# Altium PCB STB_LightBoard.PcbDoc (part 25 of 31) (continued)
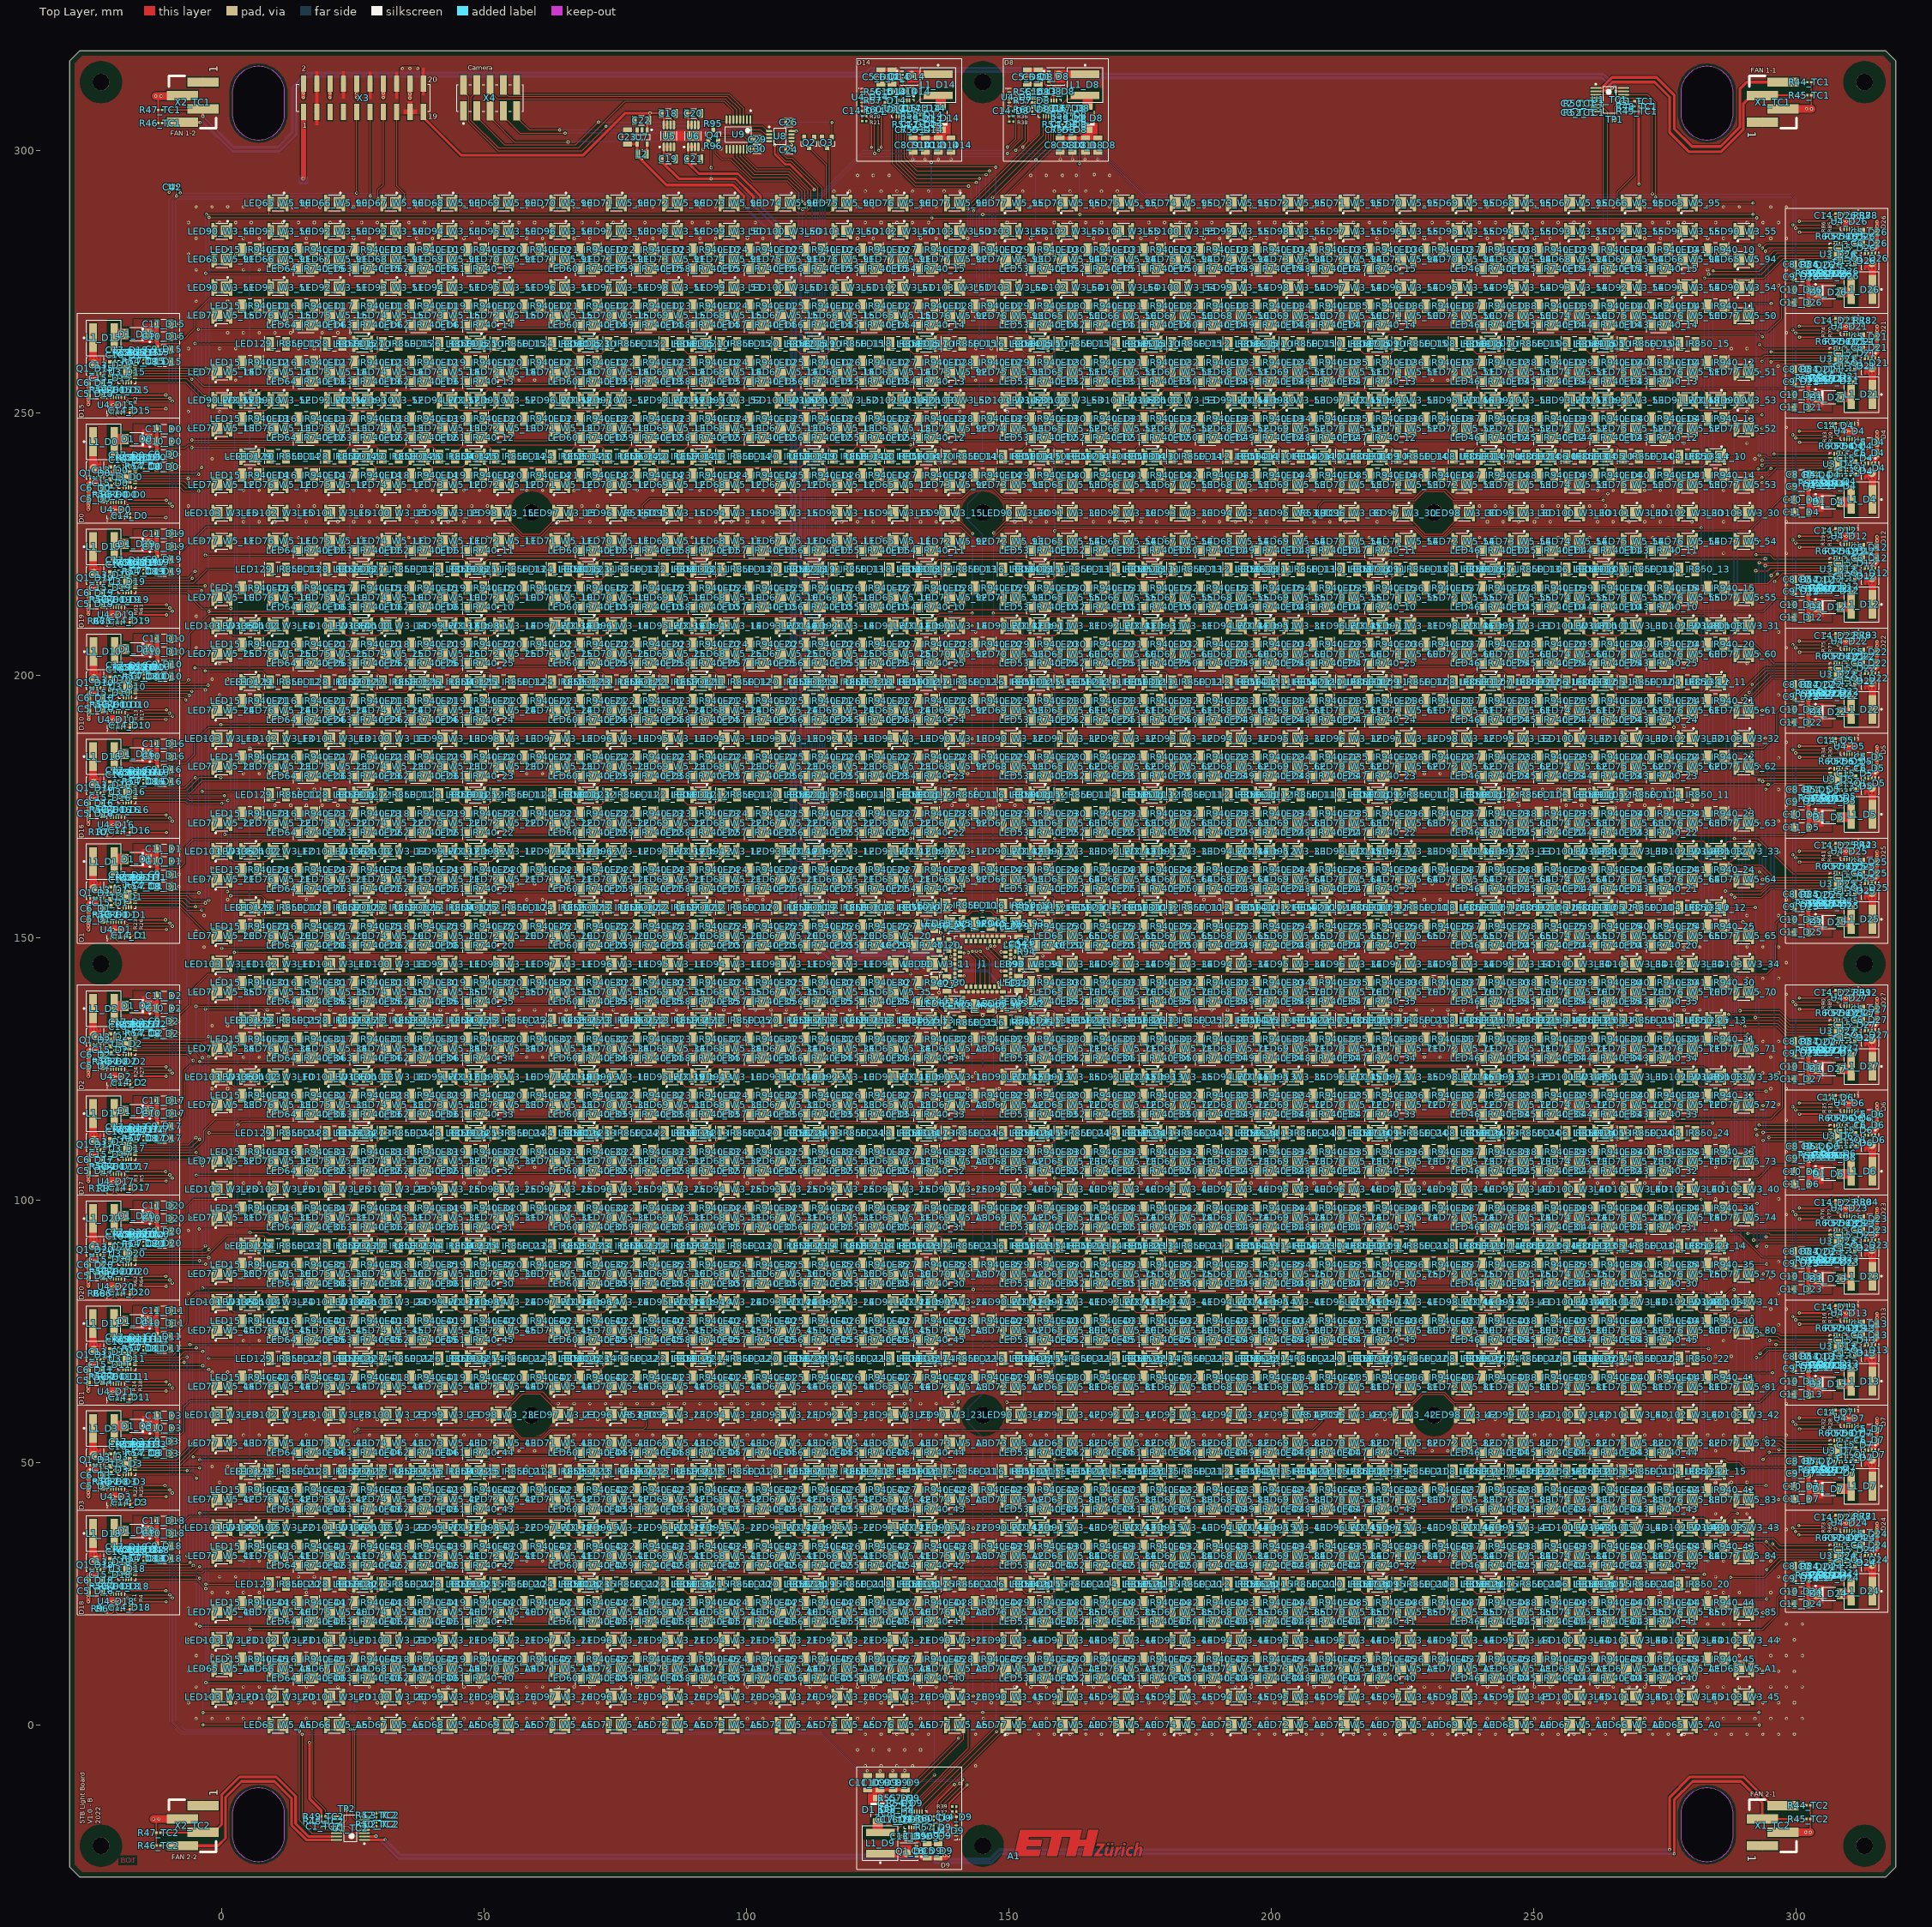
[diagram p0: Top Layer view]
## Nets (pads, with @x,y where several pads share a name; then routed paths per layer and width w, separated by ;. In a path a pad name is that pad's centre, name@x,y a point inside that pad or via, vN(x,y) a via of type N, cw(c..) or ccw(c..) an arc to the next point about the centre after c; other vN are vias at no path point) (continued)
NetLED77_W5_74_1: LED77_W5_74.1 U3_D6.14 | length 31.2
  Top Layer w0.2: LED77_W5_74.1@290.642,96.66 LED77_W5_74.1@291.707,96.66 291.767,96.6 v1(294.804,96.6) ; v1(294.804,111.9) 294.854,111.95 U3_D6.14@306.5,111.95
  Bottom Layer w0.2: v1(294.804,96.6) 294.8,96.604 294.8,111.896 v1(294.804,111.9)
NetLED77_W5_75_1: LED77_W5_75.1 U3_D6.15 | length 41.4
  Top Layer w0.2: LED77_W5_75.1@290.642,85.92 LED77_W5_75.1@291.707,85.92 v1(293.72,85.92) ; v1(293.696,111.4) 293.75,111.346 299.07,111.346 299.174,111.45 U3_D6.15@306.5,111.45
  Bottom Layer w0.2: v1(293.72,85.92) 293.72,92.751 293.696,92.775 293.696,97.473 293.72,97.497 v1@293.72,111.346
NetLED77_W5_80_1: LED77_W5_80.1 U3_D7.10 | length 37.4
  Top Layer w0.2: LED77_W5_80.1@290.642,75.18 LED77_W5_80.1@291.707,75.18 291.794,75.267 v1(294.373,75.267) ; v1(294.4,54.754) 294.454,54.7 297.4,54.7 297.9,54.2 U3_D7.10@307.25,54.2
  Bottom Layer w0.2: v1(294.373,75.267) 294.373,66.947 294.386,66.935 294.386,58.871 294.4,58.857 v1(294.4,54.754)
NetLED77_W5_81_1: LED77_W5_81.1 U3_D7.11 | length 29.5
  Top Layer w0.2: LED77_W5_81.1@290.642,64.44 LED77_W5_81.1@290.692,64.49 ; v1(293.79,54.254) 293.843,54.2 297.046,54.2 297.797,53.45 U3_D7.11@306.5,53.45 ; LED77_W5_81.1@290.692,64.49 v1(293.79,64.49) LED77_W5_81.1@290.692,64.49
  Bottom Layer w0.2: v1(293.79,54.254) v1(293.79,64.49)
NetLED77_W5_82_1: LED77_W5_82.1 U3_D7.12 | length 16.9
  Top Layer w0.2: LED77_W5_82.1@290.642,53.7 LED77_W5_82.1@291.242,53.1 ; LED77_W5_82.1@291.707,53.7 296.7,53.7 297.45,52.95 U3_D7.12@306.5,52.95 ; LED77_W5_82.1@291.242,53.1 291.707,53.1 LED77_W5_82.1@291.242,53.1
NetLED77_W5_83_1: LED77_W5_83.1 U3_D7.13 | length 35
  Top Layer w0.2: LED77_W5_83.1@290.642,42.96 LED77_W5_83.1@291.707,42.96 v1(296.66,42.96) ; v1@296.604,52.504 v1(296.7,52.504) 296.754,52.45 U3_D7.13@306.5,52.45
  Bottom Layer w0.2: v1(296.66,42.96) 296.66,52.504 v1(296.66,42.96)
NetLED77_W5_84_1: LED77_W5_84.1 U3_D7.14 | length 39.8
  Top Layer w0.2: LED77_W5_84.1@290.642,32.22 LED77_W5_84.1@290.722,32.3 ; v1(294.85,51.986) 294.886,51.95 U3_D7.14@306.5,51.95 ; LED77_W5_84.1@290.722,32.3 v1(294.9,32.3) LED77_W5_84.1@290.722,32.3
  Bottom Layer w0.2: v1(294.85,51.986) 294.9,51.936 v1(294.9,32.3)
NetLED77_W5_85_1: LED77_W5_85.1 U3_D7.15 | length 45.4
  Top Layer w0.2: LED77_W5_85.1@290.642,21.48 LED77_W5_85.1@291.707,21.48 291.787,21.4 v1(293.7,21.4) ; v1(293.7,50.6) 294.532,51.432 300.359,51.432 300.377,51.45 U3_D7.15@306.5,51.45
  Bottom Layer w0.2: v1(293.7,21.4) v1(293.7,50.6)
NetLED77_W5_90_1: LED77_W5_90.1 U3_D8.10 | length 25.2
  Top Layer w0.2: LED77_W5_90.1@140.268,289.98 LED77_W5_90.1@141.333,289.98 141.334,289.981 142.77,289.981 155.8,303.011 U3_D8.10@155.8,307.25
NetLED77_W5_91_1: LED77_W5_91.1 U3_D8.11 | length 41.2
  Top Layer w0.2: LED77_W5_91.1@130.592,279.24 v1(131.26,279.24) ; v1(142.162,288.873) 142.21,288.921 142.565,288.921 156.55,302.906 U3_D8.11@156.55,306.5
  Bottom Layer w0.2: v1(131.26,279.24) 135.74,279.24 142.162,285.662 v1(142.162,288.873)
NetLED77_W5_92_1: LED77_W5_92.1 U3_D8.12 | length 34.2
  Top Layer w0.2: LED77_W5_92.1@141.333,279.24 v1(142.019,279.24) ; v1(143.238,288.483) 143.315,288.483 157.05,302.218 U3_D8.12@157.05,306.5
  Bottom Layer w0.2: v1(142.019,279.24) 143.177,280.398 143.177,288.422 v1(143.238,288.483)
NetLED77_W5_93_1: LED77_W5_93.1 U3_D8.13 | length 34.6
  Top Layer w0.2: v1(146.869,291.053) 146.894,291.053 157.55,301.709 U3_D8.13@157.55,306.5 ; v1(147.94,279.24) LED77_W5_93.1@148.674,279.24 ; LED77_W5_93.1@149.264,279.24 LED77_W5_93.1@148.674,279.24 ; LED77_W5_93.1@149.739,279.24 LED77_W5_93.1@148.674,279.24
  Bottom Layer w0.2: v1@146.9,291.083 v1(146.869,291.053) 146.869,280.31 v1(147.94,279.24)
NetLED77_W5_94_1: LED77_W5_94.1 U3_D8.14 | length 30.6
  Top Layer w0.2: v1(155.13,298.2) 155.13,298.266 158.05,301.185 U3_D8.14@158.05,306.5 ; v1(158.732,279.24) LED77_W5_94.1@159.415,279.24
  Bottom Layer w0.2: v1(155.13,298.2) 155.13,282.842 v1(158.732,279.24)
NetLED77_W5_95_1: LED77_W5_95.1 U3_D8.15 | length 23.3
  Top Layer w0.2: LED77_W5_95.1@148.994,289.85 LED77_W5_95.1@149.124,289.98 ; LED77_W5_95.1@149.714,289.98 LED77_W5_95.1@149.124,289.98 ; U3_D8.15@158.55,306.5 158.55,300.665 149.34,291.455 148.874,291.455 148.674,291.255 LED77_W5_95.1@148.674,289.98 LED77_W5_95.1@149.739,289.98 LED77_W5_95.1@149.124,289.98
NetLED77_W5_A0_1: LED77_W5_A0.1 U3_D9.10 | length 24
  Top Layer w0.2: U3_D9.10@134.2,-17.25 134.2,-15.749 148.674,-1.275 LED77_W5_A0.1@148.674,0 ; LED77_W5_A0.1@148.994,-0.13 149.124,0 LED77_W5_A0.1@149.714,0
NetLED77_W5_A1_1: LED77_W5_A1.1 U3_D9.11 | length 41.1
  Top Layer w0.2: U3_D9.11@133.45,-16.5 133.45,-15.439 147.632,-1.257 v1(147.642,-1.257) ; v1(158.7,10.7) 160.44,10.7 v1(158.7,10.7)
  Bottom Layer w0.2: v1(147.642,-1.257) 158.7,9.801 v1(158.7,10.7)
NetLED77_W5_A2_1: LED77_W5_A2.1 U3_D9.12 | length 34.7
  Top Layer w0.2: U3_D9.12@132.95,-16.5 132.95,-14.95 v1(147.6,-0.3) ; v1(148.06,10.74) LED77_W5_A2.1@148.674,10.74 LED77_W5_A2.1@149.264,10.74
  Bottom Layer w0.2: v1(147.6,-0.3) 147.6,10.28 v1(148.06,10.74)
NetLED77_W5_A3_1: LED77_W5_A3.1 U3_D9.13 | length 38.5
  Top Layer w0.2: U3_D9.13@132.45,-16.5 132.45,-14.25 142.3,-4.4 ; LED77_W5_A3.1@140.268,10.74 LED77_W5_A3.1@141.333,10.74 141.393,10.8 v1(142.2,10.8) ; 142.3,-4.4 142.3,0.681 142.3,-4.4
  Bottom Layer w0.2: v1(142.2,10.8) 142.241,10.76 142.241,0.721 v1(142.281,0.681)
NetLED77_W5_A4_1: LED77_W5_A4.1 U3_D9.14 | length 31.4
  Top Layer w0.2: LED77_W5_A4.1@130.592,10.74 v1(131.26,10.74) ; U3_D9.14@131.95,-16.5 131.95,-13.342 v1(135.788,-9.504)
  Bottom Layer w0.2: v1(131.26,10.74) 135.788,6.212 v1(135.788,-9.504)
NetLED77_W5_A5_1: LED77_W5_A5.1 U3_D9.15 | length 21.7
  Top Layer w0.2: U3_D9.15@131.45,-16.5 131.45,-13.681 131.449,-13.68 131.449,-12.551 141.333,-2.667 LED77_W5_A5.1@141.333,0 LED77_W5_A5.1@140.268,0
NetLED78_g_10_1: LED78_g_10.1 LED79_g_10.2 | length 21.1
  Top Layer w0.2: LED78_g_10.1@28.552,263.13 28.552,264.405 29.147,265 46.039,265 46.434,264.605 46.634,264.405 LED79_g_10.2@46.634,263.13
NetLED78_g_11_1: LED78_g_11.1 LED79_g_11.2 | length 21.2
  Top Layer w0.2: LED78_g_11.1@28.552,220.17 28.552,221.445 29.217,222.11 45.992,222.11 46.434,221.668 46.434,220.37 LED79_g_11.2@46.634,220.17
NetLED78_g_12_1: LED78_g_12.1 LED79_g_12.2 | length 21.2
  Top Layer w0.2: LED78_g_12.1@28.552,177.21 28.552,178.485 29.213,179.146 45.973,179.146 46.634,178.485 LED79_g_12.2@46.634,177.21
NetLED78_g_13_1: LED78_g_13.1 LED79_g_13.2 | length 21.1
  Top Layer w0.2: LED78_g_13.1@28.552,112.756 28.552,114.031 29.147,114.626 46.039,114.626 46.434,114.231 46.634,114.031 LED79_g_13.2@46.634,112.756
NetLED78_g_14_1: LED78_g_14.1 LED79_g_14.2 | length 21.1
  Top Layer w0.2: LED78_g_14.1@28.552,69.792 28.552,71.067 29.147,71.662 46.039,71.662 46.434,71.267 46.634,71.067 LED79_g_14.2@46.634,69.792
NetLED78_g_15_1: LED78_g_15.1 LED79_g_15.2 | length 21.1
  Top Layer w0.2: LED78_g_15.1@28.552,26.828 28.552,28.103 29.147,28.698 46.039,28.698 46.434,28.303 46.634,28.103 LED79_g_15.2@46.634,26.828
NetLED79_g_10_1: LED79_g_10.1 LED80_g_10.2 | length 18.6
  Top Layer w0.2: LED79_g_10.1@50.034,264.405 50.629,265 67.521,265 67.916,264.605 LED80_g_10.2@68.116,264.405
NetLED79_g_11_1: LED79_g_11.1 LED80_g_11.2 | length 21.2
  Top Layer w0.2: LED79_g_11.1@50.034,220.17 50.034,221.445 50.699,222.11 67.474,222.11 67.916,221.668 67.916,220.37 LED80_g_11.2@68.116,220.17
NetLED79_g_12_1: LED79_g_12.1 LED80_g_12.2 | length 18.6
  Top Layer w0.2: LED79_g_12.1@50.034,178.485 50.695,179.146 67.455,179.146 LED80_g_12.2@68.116,178.485
NetLED79_g_13_1: LED79_g_13.1 LED80_g_13.2 | length 18.6
  Top Layer w0.2: LED79_g_13.1@50.034,114.031 50.629,114.626 67.521,114.626 67.916,114.231 LED80_g_13.2@68.116,114.031
NetLED79_g_14_1: LED79_g_14.1 LED80_g_14.2 | length 18.6
  Top Layer w0.2: LED79_g_14.1@50.034,71.067 50.629,71.662 67.521,71.662 67.916,71.267 LED80_g_14.2@68.116,71.067
NetLED79_g_15_1: LED79_g_15.1 LED80_g_15.2 | length 18.6
  Top Layer w0.2: LED79_g_15.1@50.034,28.103 50.629,28.698 67.521,28.698 67.916,28.303 LED80_g_15.2@68.116,28.103
NetLED80_g_10_1: LED80_g_10.1 LED81_g_10.2 | length 18.6
  Top Layer w0.2: LED80_g_10.1@71.516,264.405 72.111,265 89.003,265 89.398,264.605 LED81_g_10.2@89.598,264.405
NetLED80_g_11_1: LED80_g_11.1 LED81_g_11.2 | length 21.2
  Top Layer w0.2: LED80_g_11.1@71.516,220.17 71.516,221.445 72.181,222.11 88.956,222.11 89.398,221.668 89.398,220.37 LED81_g_11.2@89.598,220.17
NetLED80_g_12_1: LED80_g_12.1 LED81_g_12.2 | length 18.6
  Top Layer w0.2: LED80_g_12.1@71.516,178.485 72.177,179.146 88.937,179.146 LED81_g_12.2@89.598,178.485
NetLED80_g_13_1: LED80_g_13.1 LED81_g_13.2 | length 18.6
  Top Layer w0.2: LED80_g_13.1@71.516,114.031 72.111,114.626 89.003,114.626 89.398,114.231 LED81_g_13.2@89.598,114.031
NetLED80_g_14_1: LED80_g_14.1 LED81_g_14.2 | length 18.6
  Top Layer w0.2: LED80_g_14.1@71.516,71.067 72.111,71.662 89.003,71.662 89.398,71.267 LED81_g_14.2@89.598,71.067
NetLED80_g_15_1: LED80_g_15.1 LED81_g_15.2 | length 18.6
  Top Layer w0.2: LED80_g_15.1@71.516,28.103 72.111,28.698 89.003,28.698 89.398,28.303 LED81_g_15.2@89.598,28.103
NetLED81_g_10_1: LED81_g_10.1 LED82_g_10.2 | length 19.2
  Top Layer w0.2: LED81_g_10.1@92.998,264.405 93.593,265 110.485,265 LED82_g_10.2@111.08,264.405 ; LED82_g_10.2@111.08,263.13 LED82_g_10.2@111.67,263.13
NetLED81_g_11_1: LED81_g_11.1 LED82_g_11.2 | length 21.2
  Top Layer w0.2: LED81_g_11.1@92.998,220.17 92.998,221.445 93.663,222.11 110.438,222.11 110.88,221.668 110.88,220.37 LED82_g_11.2@111.08,220.17
NetLED81_g_12_1: LED81_g_12.1 LED82_g_12.2 | length 19.2
  Top Layer w0.2: LED81_g_12.1@92.998,178.485 93.659,179.146 110.419,179.146 LED82_g_12.2@111.08,178.485 ; LED82_g_12.2@111.08,177.21 LED82_g_12.2@111.67,177.21
NetLED81_g_13_1: LED81_g_13.1 LED82_g_13.2 | length 18.6
  Top Layer w0.2: LED81_g_13.1@92.998,114.031 93.593,114.626 110.485,114.626 110.88,114.231 LED82_g_13.2@111.08,114.031
NetLED81_g_14_1: LED81_g_14.1 LED82_g_14.2 | length 18.6
  Top Layer w0.2: LED81_g_14.1@92.998,71.067 93.593,71.662 110.485,71.662 110.88,71.267 LED82_g_14.2@111.08,71.067
NetLED81_g_15_1: LED81_g_15.1 LED82_g_15.2 | length 18.6
  Top Layer w0.2: LED81_g_15.1@92.998,28.103 93.593,28.698 110.485,28.698 110.88,28.303 LED82_g_15.2@111.08,28.103
NetLED82_g_10_1: LED82_g_10.1 LED83_g_10.2 | length 19.2
  Top Layer w0.2: LED82_g_10.1@114.48,264.405 115.075,265 131.967,265 LED83_g_10.2@132.562,264.405 ; LED83_g_10.2@132.562,263.13 LED83_g_10.2@133.152,263.13
NetLED82_g_11_1: LED82_g_11.1 LED83_g_11.2 | length 21.2
  Top Layer w0.2: LED82_g_11.1@114.48,220.17 114.48,221.445 115.145,222.11 131.92,222.11 132.362,221.668 132.362,220.37 LED83_g_11.2@132.562,220.17
NetLED82_g_12_1: LED82_g_12.1 LED83_g_12.2 | length 19.2
  Top Layer w0.2: LED82_g_12.1@114.48,178.485 115.141,179.146 131.901,179.146 LED83_g_12.2@132.562,178.485 ; LED83_g_12.2@132.562,177.21 LED83_g_12.2@133.152,177.21
NetLED82_g_13_1: LED82_g_13.1 LED83_g_13.2 | length 18.6
  Top Layer w0.2: LED82_g_13.1@114.48,114.031 115.075,114.626 131.967,114.626 132.362,114.231 LED83_g_13.2@132.562,114.031
NetLED82_g_14_1: LED82_g_14.1 LED83_g_14.2 | length 18.6
  Top Layer w0.2: LED82_g_14.1@114.48,71.067 115.075,71.662 131.967,71.662 132.362,71.267 LED83_g_14.2@132.562,71.067
NetLED82_g_15_1: LED82_g_15.1 LED83_g_15.2 | length 19.2
  Top Layer w0.2: LED82_g_15.1@114.48,28.103 115.075,28.698 131.967,28.698 132.362,28.303 LED83_g_15.2@132.562,28.103 ; LED83_g_15.2@132.562,26.85 LED83_g_15.2@133.152,26.85
NetLED83_g_10_1: LED83_g_10.1 LED84_g_10.2 | length 19.2
  Top Layer w0.2: LED83_g_10.1@135.962,264.405 136.557,265 153.449,265 LED84_g_10.2@154.044,264.405 ; LED84_g_10.2@154.044,263.13 LED84_g_10.2@154.634,263.13
NetLED83_g_11_1: LED83_g_11.1 LED84_g_11.2 | length 21.2
  Top Layer w0.2: LED83_g_11.1@135.962,220.17 135.962,221.445 136.627,222.11 153.402,222.11 153.844,221.668 153.844,220.37 LED84_g_11.2@154.044,220.17
NetLED83_g_12_1: LED83_g_12.1 LED84_g_12.2 | length 18.6
  Top Layer w0.2: LED83_g_12.1@135.962,178.485 136.623,179.146 153.383,179.146 LED84_g_12.2@154.044,178.485
NetLED83_g_13_1: LED83_g_13.1 LED84_g_13.2 | length 18.6
  Top Layer w0.2: LED83_g_13.1@135.962,114.031 136.557,114.626 153.449,114.626 153.844,114.231 LED84_g_13.2@154.044,114.031
NetLED83_g_14_1: LED83_g_14.1 LED84_g_14.2 | length 18.6
  Top Layer w0.2: LED83_g_14.1@135.962,71.067 136.557,71.662 153.449,71.662 153.844,71.267 LED84_g_14.2@154.044,71.067
NetLED83_g_15_1: LED83_g_15.1 LED84_g_15.2 | length 18.6
  Top Layer w0.2: LED83_g_15.1@135.962,28.103 136.557,28.698 153.449,28.698 153.844,28.303 LED84_g_15.2@154.044,28.103
NetLED84_g_10_1: LED84_g_10.1 LED85_g_10.2 | length 18.6
  Top Layer w0.2: LED84_g_10.1@157.444,264.405 158.039,265 174.931,265 175.326,264.605 LED85_g_10.2@175.526,264.405
NetLED84_g_11_1: LED84_g_11.1 LED85_g_11.2 | length 21.2
  Top Layer w0.2: LED84_g_11.1@157.444,220.17 157.444,221.445 158.109,222.11 174.884,222.11 175.326,221.668 175.326,220.37 LED85_g_11.2@175.526,220.17
NetLED84_g_12_1: LED84_g_12.1 LED85_g_12.2 | length 18.6
  Top Layer w0.2: LED84_g_12.1@157.444,178.485 158.105,179.146 174.865,179.146 LED85_g_12.2@175.526,178.485
NetLED84_g_13_1: LED84_g_13.1 LED85_g_13.2 | length 18.6
  Top Layer w0.2: LED84_g_13.1@157.444,114.031 158.039,114.626 174.931,114.626 175.326,114.231 LED85_g_13.2@175.526,114.031
NetLED84_g_14_1: LED84_g_14.1 LED85_g_14.2 | length 18.6
  Top Layer w0.2: LED84_g_14.1@157.444,71.067 158.039,71.662 174.931,71.662 175.326,71.267 LED85_g_14.2@175.526,71.067
NetLED84_g_15_1: LED84_g_15.1 LED85_g_15.2 | length 18.6
  Top Layer w0.2: LED84_g_15.1@157.444,28.103 158.039,28.698 174.931,28.698 175.326,28.303 LED85_g_15.2@175.526,28.103
NetLED85_g_10_1: LED85_g_10.1 LED86_g_10.2 | length 18.6
  Top Layer w0.2: LED85_g_10.1@178.926,264.405 179.521,265 196.413,265 196.808,264.605 LED86_g_10.2@197.008,264.405
NetLED85_g_11_1: LED85_g_11.1 LED86_g_11.2 | length 21.2
  Top Layer w0.2: LED85_g_11.1@178.926,220.17 178.926,221.445 179.591,222.11 196.366,222.11 196.808,221.668 196.808,220.37 LED86_g_11.2@197.008,220.17
NetLED85_g_12_1: LED85_g_12.1 LED86_g_12.2 | length 18.6
  Top Layer w0.2: LED85_g_12.1@178.926,178.485 179.587,179.146 196.347,179.146 LED86_g_12.2@197.008,178.485
NetLED85_g_13_1: LED85_g_13.1 LED86_g_13.2 | length 18.6
  Top Layer w0.2: LED85_g_13.1@178.926,114.031 179.521,114.626 196.413,114.626 196.808,114.231 LED86_g_13.2@197.008,114.031
NetLED85_g_14_1: LED85_g_14.1 LED86_g_14.2 | length 18.6
  Top Layer w0.2: LED85_g_14.1@178.926,71.067 179.521,71.662 196.413,71.662 196.808,71.267 LED86_g_14.2@197.008,71.067
NetLED85_g_15_1: LED85_g_15.1 LED86_g_15.2 | length 18.6
  Top Layer w0.2: LED85_g_15.1@178.926,28.103 179.521,28.698 196.413,28.698 196.808,28.303 LED86_g_15.2@197.008,28.103
NetLED86_g_10_1: LED86_g_10.1 LED87_g_10.2 | length 18.6
  Top Layer w0.2: LED86_g_10.1@200.408,264.405 201.003,265 217.895,265 218.29,264.605 LED87_g_10.2@218.49,264.405
NetLED86_g_11_1: LED86_g_11.1 LED87_g_11.2 | length 21.2
  Top Layer w0.2: LED86_g_11.1@200.408,220.17 200.408,221.445 201.073,222.11 217.848,222.11 218.29,221.668 218.29,220.37 LED87_g_11.2@218.49,220.17
NetLED86_g_12_1: LED86_g_12.1 LED87_g_12.2 | length 18.6
  Top Layer w0.2: LED86_g_12.1@200.408,178.485 201.069,179.146 217.829,179.146 LED87_g_12.2@218.49,178.485
NetLED86_g_13_1: LED86_g_13.1 LED87_g_13.2 | length 18.6
  Top Layer w0.2: LED86_g_13.1@200.408,114.031 201.003,114.626 217.895,114.626 218.29,114.231 LED87_g_13.2@218.49,114.031
NetLED86_g_14_1: LED86_g_14.1 LED87_g_14.2 | length 18.6
  Top Layer w0.2: LED86_g_14.1@200.408,71.067 201.003,71.662 217.895,71.662 218.29,71.267 LED87_g_14.2@218.49,71.067
NetLED86_g_15_1: LED86_g_15.1 LED87_g_15.2 | length 18.6
  Top Layer w0.2: LED86_g_15.1@200.408,28.103 201.003,28.698 217.895,28.698 218.29,28.303 LED87_g_15.2@218.49,28.103
NetLED87_g_10_1: LED87_g_10.1 LED88_g_10.2 | length 18.6
  Top Layer w0.2: LED87_g_10.1@221.89,264.405 222.485,265 239.377,265 239.772,264.605 LED88_g_10.2@239.972,264.405
NetLED87_g_11_1: LED87_g_11.1 LED88_g_11.2 | length 21.2
  Top Layer w0.2: LED87_g_11.1@221.89,220.17 221.89,221.445 222.555,222.11 239.33,222.11 239.772,221.668 239.772,220.37 LED88_g_11.2@239.972,220.17
NetLED87_g_12_1: LED87_g_12.1 LED88_g_12.2 | length 18.6
  Top Layer w0.2: LED87_g_12.1@221.89,178.485 222.551,179.146 239.311,179.146 LED88_g_12.2@239.972,178.485
NetLED87_g_13_1: LED87_g_13.1 LED88_g_13.2 | length 19.2
  Top Layer w0.2: LED87_g_13.1@221.89,114.031 222.485,114.626 239.377,114.626 239.772,114.231 LED88_g_13.2@239.972,114.031 ; LED88_g_13.2@239.972,112.77 LED88_g_13.2@240.562,112.77
NetLED87_g_14_1: LED87_g_14.1 LED88_g_14.2 | length 18.6
  Top Layer w0.2: LED87_g_14.1@221.89,71.067 222.485,71.662 239.377,71.662 239.772,71.267 LED88_g_14.2@239.972,71.067
NetLED87_g_15_1: LED87_g_15.1 LED88_g_15.2 | length 18.6
  Top Layer w0.2: LED87_g_15.1@221.89,28.103 222.485,28.698 239.377,28.698 239.772,28.303 LED88_g_15.2@239.972,28.103
NetLED88_g_10_1: LED88_g_10.1 LED89_g_10.2 | length 19.2
  Top Layer w0.2: LED88_g_10.1@243.372,264.405 243.967,265 260.859,265 261.254,264.605 LED89_g_10.2@261.454,264.405 ; LED89_g_10.2@261.454,263.13 LED89_g_10.2@262.044,263.13
NetLED88_g_11_1: LED88_g_11.1 LED89_g_11.2 | length 21.2
  Top Layer w0.2: LED88_g_11.1@243.372,220.17 243.372,221.445 244.037,222.11 260.812,222.11 261.254,221.668 261.254,220.37 LED89_g_11.2@261.454,220.17
NetLED88_g_12_1: LED88_g_12.1 LED89_g_12.2 | length 18.6
  Top Layer w0.2: LED88_g_12.1@243.372,178.485 244.033,179.146 260.793,179.146 LED89_g_12.2@261.454,178.485
NetLED88_g_13_1: LED88_g_13.1 LED89_g_13.2 | length 20.2
  Top Layer w0.2: LED88_g_13.1@242.307,112.77 LED88_g_13.1@243.372,112.77 ; LED88_g_13.1@243.372,114.031 243.967,114.626 260.859,114.626 261.254,114.231 LED89_g_13.2@261.454,114.031 ; LED89_g_13.2@261.454,112.77 LED89_g_13.2@262.044,112.77
NetLED88_g_14_1: LED88_g_14.1 LED89_g_14.2 | length 18.6
  Top Layer w0.2: LED88_g_14.1@243.372,71.067 243.967,71.662 260.859,71.662 261.254,71.267 LED89_g_14.2@261.454,71.067
NetLED88_g_15_1: LED88_g_15.1 LED89_g_15.2 | length 18.6
  Top Layer w0.2: LED88_g_15.1@243.372,28.103 243.967,28.698 260.859,28.698 261.254,28.303 LED89_g_15.2@261.454,28.103
NetLED89_g_10_1: LED89_g_10.1 U3_D26.10 | length 62.6
  Top Layer w0.2: LED89_g_10.1@263.789,263.13 LED89_g_10.1@264.854,263.13 264.854,264.405 265.52,265.071 292.914,265.071 293.508,264.478 v1(293.543,264.478) ; v1(293.543,281.4) 293.543,281.443 294.3,282.2 U3_D26.10@307.25,282.2
  Bottom Layer w0.2: v1(293.543,264.478) 293.52,264.5 293.52,281.377 v1(293.543,281.4)
NetLED89_g_11_1: LED89_g_11.1 U3_D26.11 | length 102.1
  Top Layer w0.2: LED89_g_11.1@264.854,220.17 264.854,221.445 265.609,222.2 v1(294.08,222.2) ; v1(294.135,280.775) 294.135,280.835 294.75,281.45 U3_D26.11@306.5,281.45
  Bottom Layer w0.2: v1(294.08,222.2) 294.1,222.22 294.1,280.74 v1(294.135,280.775)
NetLED89_g_12_1: LED89_g_12.1 U3_D26.12 | length 145.4
  Top Layer w0.2: LED89_g_12.1@263.789,177.21 LED89_g_12.1@264.854,177.21 264.854,178.485 265.515,179.146 294.637,179.146 v1(294.677,179.186) ; v1(294.719,279.811) 295.858,280.95 U3_D26.12@306.5,280.95
  Bottom Layer w0.2: v1(294.677,179.186) 294.634,179.229 294.634,269.534 294.676,269.575 294.676,279.768 v1(294.719,279.811)
NetLED89_g_13_1: LED89_g_13.1 U3_D26.13 | length 209.1
  Top Layer w0.2: v1(284.097,114.693) 284.093,114.697 265.52,114.697 265.444,114.621 265.43,114.621 264.854,114.045 LED89_g_13.1@264.854,112.77 LED89_g_13.1@264.84,112.756 ; v1(284.167,277.064) 284.213,277.018 292.967,277.018 296.399,280.45 U3_D26.13@306.5,280.45 ; LED89_g_13.1@264.84,112.756 263.789,112.756 LED89_g_13.1@264.84,112.756
  Bottom Layer w0.2: v1(284.097,114.693) 284.132,114.728 284.132,277.029 v1(284.167,277.064)
NetLED89_g_14_1: LED89_g_14.1 U3_D26.14 | length 271.6
  Top Layer w0.2: LED89_g_14.1@264.854,69.81 264.854,71.085 265.505,71.736 ; 265.523,71.736 264.854,71.067 LED89_g_14.1@264.854,69.792 ; v1(283.314,276.44) 283.363,276.391 293.391,276.391 296.95,279.95 U3_D26.14@306.5,279.95 ; LED89_g_14.1@264.854,69.792 263.789,69.792 LED89_g_14.1@264.854,69.792 ; 265.505,71.736 283.314,71.736 265.505,71.736
  Bottom Layer w0.2: v1(283.3,71.7) 283.314,71.714 v1(283.314,276.44)
NetLED89_g_15_1: LED89_g_15.1 U3_D26.15 | length 292.5
  Top Layer w0.2: LED89_g_15.1@263.789,26.85 LED89_g_15.1@264.854,26.85 264.854,28.125 265.054,28.325 265.148,28.325 265.523,28.7 v1(282.5,28.7) ; v1(282.508,275.65) 282.555,275.697 293.797,275.697 297.55,279.45 U3_D26.15@306.5,279.45
  Bottom Layer w0.2: v1@282.508,28.908 v1(282.508,275.65)
NetLED90_W3_10_1: LED90_W3_10.1 LED91_W3_10.2 | length 9.1
  Top Layer w0.2: LED91_W3_10.2@130.592,122.235 131.187,121.64 137.338,121.64 137.733,122.035 137.933,122.235 LED90_W3_10.1@137.933,123.51
NetLED90_W3_11_1: LED90_W3_11.1 LED91_W3_11.2 | length 5.7
  Top Layer w0.2: LED91_W3_11.2@130.002,144.99 LED91_W3_11.2@130.592,144.99 LED90_W3_11.1@134.633,144.99 LED90_W3_11.1@135.698,144.99
NetLED90_W3_12_1: LED90_W3_12.1 LED91_W3_12.2 | length 9.1
  Top Layer w0.2: LED91_W3_12.2@130.592,165.195 131.187,164.6 137.338,164.6 137.733,164.995 137.933,165.195 LED90_W3_12.1@137.933,166.47
NetLED90_W3_13_1: LED90_W3_13.1 LED91_W3_13.2 | length 9
  Top Layer w0.2: LED91_W3_13.2@130.002,187.95 LED91_W3_13.2@130.592,187.95 LED90_W3_13.1@137.933,187.95 LED90_W3_13.1@138.998,187.95
NetLED90_W3_14_1: LED90_W3_14.1 LED91_W3_14.2 | length 12
  Top Layer w0.2: LED91_W3_14.2@130.002,209.43 LED91_W3_14.2@130.592,209.43 130.592,208.155 131.147,207.6 137.378,207.6 137.933,208.155 LED90_W3_14.1@137.933,209.43 LED90_W3_14.1@138.998,209.43
NetLED90_W3_15_1: LED90_W3_15.1 LED91_W3_15.2 | length 15.6
  Top Layer w0.2: LED90_W3_15.1@137.933,230.9 130.219,230.9 130.809,230.9 LED90_W3_15.1@138.15,230.9
NetLED90_W3_20_1: LED90_W3_20.1 LED91_W3_20.2 | length 9
  Top Layer w0.2: LED91_W3_20.2@130.002,5.37 LED91_W3_20.2@130.592,5.37 LED90_W3_20.1@137.933,5.37 LED90_W3_20.1@138.998,5.37
NetLED90_W3_21_1: LED90_W3_21.1 LED91_W3_21.2 | length 9
  Top Layer w0.2: LED91_W3_21.2@130.002,16.11 LED91_W3_21.2@130.592,16.11 LED90_W3_21.1@137.933,16.11 LED90_W3_21.1@138.998,16.11
NetLED90_W3_22_1: LED90_W3_22.1 LED91_W3_22.2 | length 9.1
  Top Layer w0.2: LED91_W3_22.2@130.592,36.315 131.187,35.72 137.338,35.72 137.733,36.115 137.933,36.315 LED90_W3_22.1@137.933,37.59
NetLED90_W3_23_1: LED90_W3_23.1 LED91_W3_23.2 | length 16.5
  Top Layer w0.2: LED90_W3_23.1@137.933,59.07 LED90_W3_23.1@138.523,59.07 ; LED91_W3_23.2@130.219,59.08 130.809,59.08 138.15,59.08 LED91_W3_23.2@130.219,59.08
NetLED90_W3_24_1: LED90_W3_24.1 LED91_W3_24.2 | length 9.1
  Top Layer w0.2: LED91_W3_24.2@130.592,79.275 131.187,78.68 137.338,78.68 137.733,79.075 137.933,79.275 LED90_W3_24.1@137.933,80.55
NetLED90_W3_25_1: LED90_W3_25.1 LED91_W3_25.2 | length 9
  Top Layer w0.2: LED91_W3_25.2@130.002,102.03 LED91_W3_25.2@130.592,102.03 LED90_W3_25.1@137.933,102.03 LED90_W3_25.1@138.998,102.03
NetLED90_W3_30_1: LED90_W3_30.1 LED91_W3_30.2 | length 25.2
  Top Layer w0.2: LED90_W3_30.1@151.391,230.9 158.732,230.9 ; LED90_W3_30.1@151.624,230.91 158.965,230.91 ; LED91_W3_30.2@159.797,230.9 158.732,230.9 ; LED90_W3_30.1@152.291,230.9 151.701,230.9 152.074,230.9 LED90_W3_30.1@152.291,230.9 ; LED90_W3_30.1@152.291,230.9 159.632,230.9 159.415,230.9 158.732,230.9
NetLED90_W3_31_1: LED90_W3_31.1 LED91_W3_31.2 | length 7.8
  Top Layer w0.2: LED90_W3_31.1@152.074,208.155 152.629,207.6 158.86,207.6 LED91_W3_31.2@159.415,208.155
NetLED90_W3_32_1: LED90_W3_32.1 LED91_W3_32.2 | length 9
  Top Layer w0.2: LED90_W3_32.1@151.009,187.95 LED90_W3_32.1@152.074,187.95 LED91_W3_32.2@159.415,187.95 LED91_W3_32.2@160.005,187.95
NetLED90_W3_33_1: LED90_W3_33.1 LED91_W3_33.2 | length 10.2
  Top Layer w0.2: LED90_W3_33.1@151.009,166.47 LED90_W3_33.1@152.074,166.47 ; LED90_W3_33.1@152.074,165.195 152.669,164.6 158.82,164.6 159.215,164.995 159.415,165.195 LED91_W3_33.2@159.415,166.47
NetLED90_W3_34_1: LED90_W3_34.1 LED91_W3_34.2 | length 5.6
  Top Layer w0.2: LED90_W3_34.1@154.571,144.99 154.874,144.99 LED91_W3_34.2@159.415,144.99 LED91_W3_34.2@160.005,144.99 LED91_W3_34.2@160.17,144.99
NetLED90_W3_35_1: LED90_W3_35.1 LED91_W3_35.2 | length 8.9
  Top Layer w0.2: LED90_W3_35.1@151.009,123.51 LED90_W3_35.1@152.074,123.51 ; LED90_W3_35.1@152.074,122.235 152.669,121.64 158.82,121.64 159.215,122.035 LED91_W3_35.2@159.415,122.235
NetLED90_W3_40_1: LED90_W3_40.1 LED91_W3_40.2 | length 8.4
  Top Layer w0.2: LED90_W3_40.1@150.964,102.03 158.305,102.03 LED91_W3_40.2@159.37,102.03
NetLED90_W3_41_1: LED90_W3_41.1 LED91_W3_41.2 | length 10.5
  Top Layer w0.2: LED90_W3_41.1@152.074,80.55 152.074,79.275 152.749,78.6 158.7,78.6 158.8,78.7 158.84,78.7 159.415,79.275 LED91_W3_41.2@159.415,80.55
NetLED90_W3_42_1: LED90_W3_42.1 LED91_W3_42.2 | length 15.9
  Top Layer w0.2: LED90_W3_42.1@151.857,59.08 159.198,59.08 159.788,59.08 LED90_W3_42.1@151.857,59.08
NetLED90_W3_43_1: LED90_W3_43.1 LED91_W3_43.2 | length 9.1
  Top Layer w0.2: LED90_W3_43.1@152.074,36.315 152.669,35.72 158.82,35.72 159.215,36.115 159.415,36.315 LED91_W3_43.2@159.415,37.59
NetLED90_W3_44_1: LED90_W3_44.1 LED91_W3_44.2 | length 18.5
  Top Layer w0.2: LED90_W3_44.1@152.074,16.11 LED90_W3_44.1@151.009,16.11 ; LED91_W3_44.2@159.415,16.11 LED90_W3_44.1@151.009,16.11 ; LED91_W3_44.2@160.005,16.11 LED90_W3_44.1@151.009,16.11
NetLED90_W3_45_1: LED90_W3_45.1 LED91_W3_45.2 | length 18.5
  Top Layer w0.2: LED90_W3_45.1@152.074,5.37 LED90_W3_45.1@151.009,5.37 ; LED91_W3_45.2@159.415,5.37 LED90_W3_45.1@151.009,5.37 ; LED91_W3_45.2@160.005,5.37 LED90_W3_45.1@151.009,5.37
NetLED90_W3_50_1: LED90_W3_50.1 LED91_W3_50.2 | length 25.2
  Top Layer w0.2: LED90_W3_50.1@0.635,284.61 LED90_W3_50.1@1.7,284.61 LED91_W3_50.2@9.041,284.61 ; LED90_W3_50.1@1.467,284.6 8.808,284.6 9.873,284.6 LED90_W3_50.1@1.467,284.6
NetLED90_W3_51_1: LED90_W3_51.1 LED91_W3_51.2 | length 25.8
  Top Layer w0.2: LED90_W3_51.1@0.635,273.87 LED90_W3_51.1@1.7,273.87 LED91_W3_51.2@9.041,273.87 LED91_W3_51.2@9.631,273.87 ; LED90_W3_51.1@0.767,273.89 8.108,273.89 9.173,273.89 9.041,273.89 LED90_W3_51.1@0.767,273.89
NetLED90_W3_52_1: LED90_W3_52.1 LED91_W3_52.2 | length 7.9
  Top Layer w0.2: LED90_W3_52.1@1.7,251.115 2.315,250.5 8.426,250.5 LED91_W3_52.2@9.041,251.115
NetLED90_W3_53_1: LED90_W3_53.1 LED91_W3_53.2 | length 14
  Top Layer w0.2: LED90_W3_53.1@288.359,252.368 288.382,252.39 LED90_W3_53.1@289.372,252.39 ; LED91_W3_53.2@280.965,251.115 280.965,252.39 LED91_W3_53.2@280.965,251.115 ; LED91_W3_53.2@280.965,251.115 281.58,250.5 287.691,250.5 LED90_W3_53.1@288.306,251.115 ; LED90_W3_53.1@288.306,251.115 LED90_W3_53.1@288.307,252.39 LED90_W3_53.1@288.306,251.115
NetLED90_W3_54_1: LED90_W3_54.1 LED91_W3_54.2 | length 18
  Top Layer w0.2: LED91_W3_54.2@280.593,273.86 281.183,273.86 288.524,273.86 289.589,273.86 288.307,273.86 LED91_W3_54.2@280.593,273.86
NetLED90_W3_55_1: LED90_W3_55.1 LED91_W3_55.2 | length 17.4
  Top Layer w0.2: LED91_W3_55.2@280.351,284.61 281.416,284.61 LED90_W3_55.1@288.757,284.61 ; LED91_W3_55.2@280.376,284.61 LED91_W3_55.2@280.966,284.61 LED90_W3_55.1@288.307,284.61 LED90_W3_55.1@289.372,284.61
NetLED91_W3_10_1: LED91_W3_10.1 LED92_W3_10.2 | length 9
  Top Layer w0.2: LED92_W3_10.2@119.261,123.51 LED92_W3_10.2@119.851,123.51 LED91_W3_10.1@127.192,123.51 LED91_W3_10.1@128.257,123.51
NetLED91_W3_11_1: LED91_W3_11.1 LED92_W3_11.2 | length 9
  Top Layer w0.2: LED92_W3_11.2@119.261,144.99 LED92_W3_11.2@119.851,144.99 LED91_W3_11.1@127.192,144.99 LED91_W3_11.1@128.257,144.99
NetLED91_W3_12_1: LED91_W3_12.1 LED92_W3_12.2 | length 9
  Top Layer w0.2: LED92_W3_12.2@119.261,166.47 LED92_W3_12.2@119.851,166.47 LED91_W3_12.1@127.192,166.47 LED91_W3_12.1@128.257,166.47
NetLED91_W3_13_1: LED91_W3_13.1 LED92_W3_13.2 | length 9
  Top Layer w0.2: LED92_W3_13.2@119.261,187.95 LED92_W3_13.2@119.851,187.95 LED91_W3_13.1@127.192,187.95 LED91_W3_13.1@128.257,187.95
NetLED91_W3_14_1: LED91_W3_14.1 LED92_W3_14.2 | length 9
  Top Layer w0.2: LED92_W3_14.2@119.261,209.43 LED92_W3_14.2@119.851,209.43 LED91_W3_14.1@127.192,209.43 LED91_W3_14.1@128.257,209.43
NetLED91_W3_15_1: LED91_W3_15.1 LED92_W3_15.2 | length 18
  Top Layer w0.2: LED92_W3_15.2@119.478,230.9 120.068,230.9 127.409,230.9 128.474,230.9 127.192,230.9 LED92_W3_15.2@119.478,230.9
NetLED91_W3_20_1: LED91_W3_20.1 LED92_W3_20.2 | length 9
  Top Layer w0.2: LED92_W3_20.2@119.261,5.37 LED92_W3_20.2@119.851,5.37 LED91_W3_20.1@127.192,5.37 LED91_W3_20.1@128.257,5.37